# Altium PCB PCB_ALMA_TESLA.PcbDoc (part 2 of 3)
Units mm, origin at the board's own origin, x right, y up, seen from the top; angles counter-clockwise.
Board outline 100 x 100 mm, 10 copper layers (Top Layer - Signal General / Componentes SoC, GND1 - Plano Tierra Principal, Inner SIG1 - Control / I2C / UART / GPIO / SAI2, PWR1 - Alimentacion Principal (3.3V / 1.8V / VDD_ARM), Inner SIG2 - LPDDR4 / eMMC (Bus Critico), Inner SIG3 - MIPI DSI / USB / Diferenciales, PWR2 - Alimentacion Auxiliar (1.0V / VDDQ / VBUS), Inner SIG4 - Audio SAI2 / BT UART / Clocks / Low-Noise, GND2 - Plano Tierra Retorno, Bottom Layer - Signal Perifericos / GPIO / Conectores), stack 1.564 mm thick; 82 components, 94 nets, 1091 pads, 206 vias.
Unrouted connection lines stored in the file: 13.
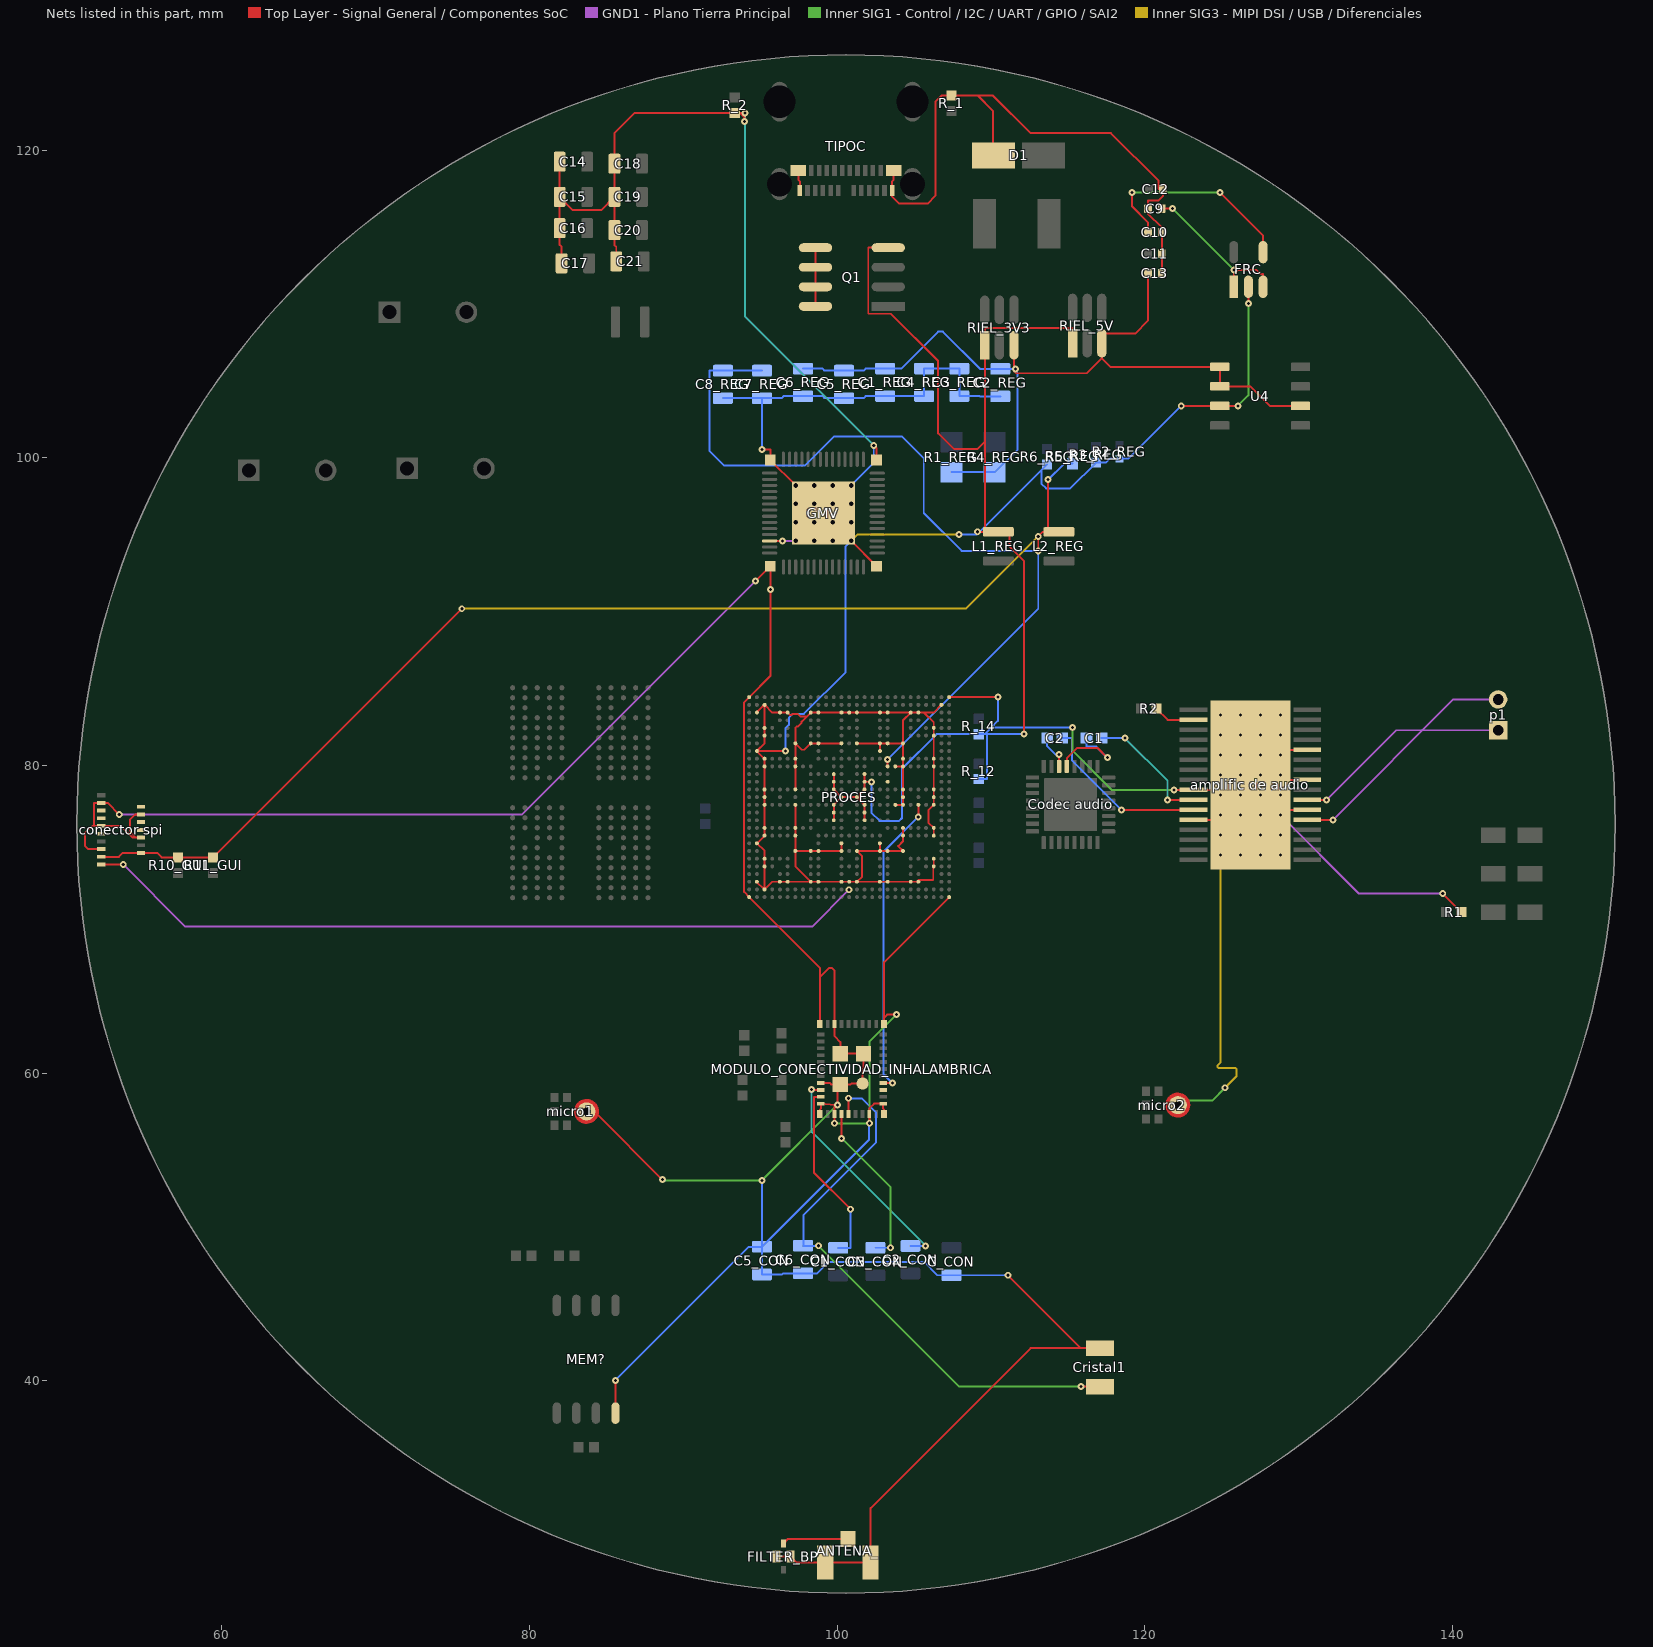
[diagram p10: the nets of this part, all layers, seen from the top]

## Part data
"amplific de audio": library part CMP-00027-00003-1, "Audio Amp Speaker 1-CH Mono/2-CH Stereo 50W Class-D Automotive 32-Pin HTSSOP EP T/R", Ambient Temperature Range High=85°C, Case/Package="HTSSOP EP", Manufacturer Lifecycle Status=ACTIVE, Max Junction Temperature (Tj)=150°C, Max Output Power=30W, Max Supply Voltage=26V, Min Operating Temperature=-40°C, Min Supply Voltage=4.5V, Voltage Gain=36dB, Height=1.2mm, Lead Free="Lead Free", Length=11mm, Lifecycle Status=Production, Max Operating Temperature=85°C, Mounting Technology="Surface Mount", Number of Channels=2, Output Power=30W, Pins=32, Radiation Hardening=No, RoHS=Compliant, Schedule B="8542330000, 8542330000", Thickness=1.15mm, Width=6.2mm
ANTENA_: library part CMP-0029-00003-2, "CONN U.FL RCPT STR 50 OHM SMD", Case/Package=SMD/SMT, Dielectric Material=Polymer, Frequency=6GHz, Housing Color=Beige, Max Operating Temperature=90°C, Min Operating Temperature=-40°C, Package Quantity=1, Body Material=Bronze, Body Plating=Silver, Connector Type=Coaxial, Contact Material=Brass, Contact Plating=Gold, Depth=3.1mm, Fastening Type=Snap, Impedance=50R, Lead Free="Lead Free", Length=3mm, Max Frequency=6GHz, Mount="Surface Mount", Orientation=Vertical, Packaging="Tape and Reel", Plating=Silver, Radiation Hardening=No, Termination=Solder
C1 C2: library part CMP-001-00009-6, "Chip Capacitor, 1 uF, +/- 10%, 6.3 V, 1005 (0402 Metric)", Capacitor Type=Ceramic, Case/Package=0402, Max Operating Temperature=85°C, Min Operating Temperature=-55°C, Tolerance=10%, Voltage Rating=6.3V, Mounting Technology=SM, Pins=2, RoHS Compliant=True
C1_CON C2_CON C3_CON C5_CON C6_CON C_CON: library part CMP-001-00080-4, "Chip Capacitor, 4.7µF +/-40%, 25V, 0805, Thickness 1.45 mm", Case/Package=0805, Max Operating Temperature=85°C, Min Operating Temperature=-55°C, Tolerance=20%, Voltage Rating=25V, Mounting Technology=SMT, Pins=2
C1_REG C2_REG C5_REG C6_REG C14 C15 C21: library part CMP-001-00079-4, "Chip Capacitor, 10µF +/-20%, 25V, 0805, Thickness 1.45 mm", Case/Package=0805, Max Operating Temperature=85°C, Min Operating Temperature=-55°C, Tolerance=10%, Voltage Rating=25V, Mounting Technology=SMT, Pins=2
C3_REG C4_REG C7_REG C8_REG C16 C17 C18 C19 C20: library part CMP-001-00081-4, "Chip Capacitor, 22µF +/-40%, 16V, 0805, Thickness 1.45 mm", Case/Package=0805, Max Operating Temperature=85°C, Min Operating Temperature=-55°C, Tolerance=5%, Voltage Rating=16V, Mounting Technology=SMT, Pins=2
C9 C12 C13: library part CMP-001-00063-3, "Chip Capacitor, 1µF +/-20%, 10V, 0402, Thickness 0.6 mm", Case/Package=0402, Max Operating Temperature=85°C, Min Operating Temperature=-55°C, Tolerance=10%, Voltage Rating=10V, Mounting Technology=SMT, Pins=2
C10: library part CMP-001-00066-3, "Chip Capacitor, 1nF +/-20%, 50V, 0402, Thickness 0.33 mm", Case/Package=0402, Max Operating Temperature=85°C, Min Operating Temperature=-55°C, Tolerance=10%, Voltage Rating=50V, Mounting Technology=SMT, Pins=2
C11: library part CMP-001-00056-4, "Chip Capacitor, 2,2µF +/-20%, 10V, 0402, Thickness 0.6 mm", Case/Package=0402, Max Operating Temperature=85°C, Min Operating Temperature=-55°C, Tolerance=10%, Voltage Rating=10V, Mounting Technology=SMT, Pins=2
"Codec audio": library part CMP-019-00056-1, "Low-Power Stereo CODEC with 6 Inputs, 6 Outputs, HP Amp and Enhanced Digital Effects 32-VQFN -40 to 85", Case/Package=VQFN, Manufacturer Lifecycle Status=ACTIVE, Max Operating Temperature=85°C, Max Supply Voltage=3.6V, Min Operating Temperature=-40°C, Min Supply Voltage=1.1V, Output Power=14mW, Contact Plating=Gold, Height=1mm, Interface="2-Wire, I2C, I2S, Serial", Lead Free="Lead Free", Length=5mm, Lifecycle Status=Production, Number of A/D Converters=2, Number of ADC Channels=2, Number of Analog Inputs=6, Number of Analog Outputs=6, Number of D/A Converters=2, Number of DAC Channels=2, Pins=32, Power Consumption=14mW, Radiation Hardening=No, REACH SVHC=No, Resolution=3B, RoHS=Compliant, Sampling Rate=96ksps, Schedule B=8542390000, Signal to Noise Ratio (SNR)=92dB, Termination=SMD/SMT, Thickness=900µm, Type="General Purpose", Weight=72.206235mg, Width=5mm
"conector spi": library part CMP-002-00082-1, "FFC FPC Connectors Horizontal Mounting Angle Beige 0.25 mm - Pitch 15 Positions", Contact Resistance=200mΩ, Contact Voltage Rating (AC)=30V, Current Rating=200mA, Max Operating Temperature=85°C, Min Operating Temperature=-55°C, Connector Type=Receptacle, Contact Material="Gold, Nickel", Contact Pitch=250µm, Contact Plating=Gold, Contact Voltage Rating (DC)=30V, Export Control Classification Number (ECCN) Code=EAR99, Height=500µm, Introduction Date=2019-06-01, Length=5.7mm, Lifecycle Status=Production, Number of Contacts=15, Number of Positions=15, Orientation=Horizontal, Pins=15, Pitch=500µm, REACH SVHC=Yes, RoHS=Compliant, Voltage Rating=30V, Width=3.15mm
Cristal1: library part CMP-003-00030-1, "Crystal 0.032768MHz ±20ppm (Tol) 6pF Flexural 60000Ohm 2-Pin CSMD T/R", Case/Package=SMD/SMT, ESR (Equivalent Series Resistance)=55kΩ, Frequency=32.768kHz, Frequency Stability=162ppm, Frequency Tolerance=0.002%, Load Capacitance=6pF, Max Operating Temperature=85°C, Min Operating Temperature=-40°C, China RoHS=Compliant, Depth=1.5mm, ESR=55k, Height=900µm, Lead Free="Lead Free", Length=3.2mm, Lifecycle Status=Production, Mounting Technology="Surface Mount", Pins=2, Radiation Hardening=No, REACH SVHC=Yes, RoHS=Compliant, Schedule B="8541600025, 8541600025", Termination=SMD/SMT, Tolerance=0.002%, Width=1.5494mm
D1: library part CMP-004-00032-1, "SMAJXXA Series 400 W 19.9 Vcl Uni-Directional SMT TransZorb TVS Diode - DO-214AC", Breakdown Voltage=14V, Case/Package=SMA, Clamping Voltage=19.9V, Forward Voltage=3.5V, Leakage Current=1µA, Max Breakdown Voltage=14.7V, Max Forward Surge Current (Ifsm)=40A, Max Operating Temperature=150°C, Max Power Dissipation=3.3W, Max Surge Current=20.1A, Min Breakdown Voltage=13.3V, Min Operating Temperature=-55°C, Operating Supply Voltage=12V, Peak Pulse Power=400W, Test Current=1mA, China RoHS=Non-Compliant, Country of Origin="Mainland China", Direction=Unidirectional, Element Configuration=Single, Export Control Classification Number (ECCN) Code=EAR99, Harmonized Tariff Schedule (HTS) Code=8541.10.00.50, Introduction Date=2000-08-22, Lifecycle Status=Production, Max Reverse Leakage Current=1µA, Number of Channels=1, Number of Elements=1, Number of Terminals=2, Packaging="Tape and Reel", Peak Pulse Current=20.1A, Peak Reverse Current=1µA, Pins=2, Polarity=Unidirectional, REACH SVHC=No, Reverse Breakdown Voltage=13.3V, Reverse Standoff Voltage=12V, RoHS=Compliant, Schedule B="8541100080, 8541100080"
F1: library part CMP-005-00013-1, "PTC Resettable Fuse 2.6A(hold) 5.2A(trip) 6V 100A 0.8W 5s 0.015Ohm SMD Solder Pad 1812", Case Code (Imperial)=1812, Case Code (Metric)=4532, Current Rating=100A, Hold Current=2.6A, Max Operating Temperature=85°C, Min Operating Temperature=-40°C, Operating Supply Voltage=6V, Power Dissipation=800mW, Ratings=TUV, Trip Current=5.2A, Approvals="CSA, TUV, UL", Case/Package=1812, China RoHS=Compliant, Export Control Classification Number (ECCN) Code=EAR99, Harmonized Tariff Schedule (HTS) Code=8533.40.80.70, Height=850µm, Introduction Date=2004-04-19, Lead Free="Lead Free", Length=4.73mm, Lifecycle Status=Obsolete, LTB Date=2026-02-28, LTD Date=2026-05-31, Max Current Rating=100A, Mounting Technology="Surface Mount", Number of Terminals=2, Pins=1812, Radiation Hardening=No, REACH SVHC=Yes, RoHS=Compliant, Terminal Material=Gold, Termination=SMD/SMT, Time to Trip=5s, Voltage Rating=6V, Voltage Rating (DC)=6V, Width=3.41mm, Working Voltage=6V
FILTER_BP: library part CMP-00025-00009-1, "RF Filter Band Pass 2450MHz 2400MHz to 2500MHz 1.95dB 50Ohm SMD 4Pin 0603 T/R", Cutoff Frequency=2.45GHz, Manufacturer Lifecycle Status=PRODUCTION, Max Operating Temperature=85°C, Min Operating Temperature=-40°C, Country of Origin="Mainland China", Frequency=2.45GHz, Height=600µm, Impedance=50Ω, Insertion Loss (dB)=2.1dB, Introduction Date=2015-06-01, Length=1.6mm, Lifecycle Status=Production, Max Length=1.7mm, Max Thickness=700µm, Max Width=900µm, Min Length=1.5mm, Min Thickness=500µm, Min Width=700µm, Mounting Technology="Surface Mount", Number of Terminals=4, REACH SVHC=Yes, RoHS=Compliant, Width=800µm
FRC: library part CMP-00027-00005-1, "LDO, 0.5VDO, 0.5A, 5V, 1%, 5SOT23; Primary Input Voltage: 12V; Output Voltage Fix", Ambient Temperature Range High=125°C, Case/Package=SOT-23, Dropout Voltage=350mV, Manufacturer Lifecycle Status=REL, Max Output current=500mA, Max Supply Voltage=12V, Min Input Voltage=2.5V, Min Operating Temperature=-40°C, Min Output Voltage=5V, Accuracy=1%, Country of Assembly="Malaysia, Thailand", Country of Fabrication="United States of America", Country of Origin="Malaysia, Thailand", Export Control Classification Number (ECCN) Code=EAR99, Harmonized Tariff Schedule (HTS) Code=8542.39.0060, Height=1.45mm, HS Code=8542.39.0090, Lead Free="Lead Free", Length=2.9mm, Lifecycle Status=Production, Max Junction Temperature (Tj)=125°C, Max Operating Temperature=125°C, Min Supply Voltage=2.5V, Mounting Technology="Surface Mount", Nominal Output Voltage=5V, Number of Channels=1, Number of Outputs=1, Number of Regulators=1, Output Current=500mA, Output Type=Fixed, Output Voltage=5V, Pins=5, Polarity=Positive, Projected EOL Date=2034-03-18, Radiation Hardening=No, REACH SVHC=No, RoHS=Compliant, Schedule B="8542390000, 8542390000", Width=1.6mm
GMV: library part CMP-019-00054-1, "Step Down Converter with LDO Regulator 12-OUT 56-Pin UQFN Emboss T/R", Max Junction Temperature (Tj)=150°C, Max Operating Temperature=85°C, Max Supply Voltage=5.5V, Min Operating Temperature=-40°C, Min Supply Voltage=2.7V, Nominal Supply Voltage (DC)=5V, Temperature Grade=Industrial, China RoHS=Non-Compliant, Country of Origin=Philippines, Export Control Classification Number (ECCN) Code=EAR99, Harmonized Tariff Schedule (HTS) Code=8542.39.00.60, Height=1mm, Height - Seated (Max)=1mm, Introduction Date=2019-03-08, Length=7mm, Lifecycle Status=Production, Number of Channels=12, Number of Circuits=1, Number of Outputs=12, Number of Terminals=56, REACH SVHC=Yes, RoHS=Compliant, Terminal Pitch=400µm, Width=7mm
L1_REG L2_REG L6: library part CMP-006-00020-3, "Inductor for Power Circuit, 2.2 uH, +/- 20%, -40 to 105 degC, 2-Pin SMD, RoHS, Tape and Reel", Tolerance=20%, Mounting Technology=SurfaceMount, Pins=2
L3 L4 L5: library part CMP-006-00013-6, "Radial Inductor, 100 uH, +/- 10%, 0.91 A, -55 to 105 degC, 2-Pin THD, RoHS, Bulk", Case/Package=Radial, Current Rating=910mA, Inductance Tolerance=10%, Manufacturer=Bourns, Max Operating Temperature=105°C, Min Operating Temperature=-55°C, Package Description="2-Pin Radial Lead, Dia 8.5 mm, Pitch 5 mm", Package Quantity=100, Package Reference=INDR62-500-1100X850X1100, Resistance=0.28Ohm, Self Resonant Frequency=3.7MHz, Core Material=Ferrite, Datasheet URL=http://www.bourns.com/docs/Product-Datasheets/rl622_series.pdf, Datasheet Version=Aug-10, Diameter=8.5mm, Lead Pitch=5mm, Mounting Technology=TH, Packaging=Bulk, Pins=2, Q Factor=20, RoHS Compliant=True, Shielding=Unshielded, Tolerance=10%
MEM?: library part CMP-019-00057-1, "NOR Flash Serial-SPI 3V/3.3V 128M-bit 16M x 8 7ns 8-Pin SOIC", Case/Package=SOP, Clock Frequency=104MHz, Max Operating Temperature=85°C, Max Supply Current=20mA, Max Supply Voltage=3.6V, Min Operating Temperature=-40°C, Min Supply Voltage=2.7V, Nominal Supply Voltage (DC)=3V, Temperature Grade=Industrial, Access Time=7ns, Address Bus Width=24b, China RoHS=Compliant, Contact Plating=Tin, Density=128Mb, Frequency=104MHz, Height - Seated (Max)=2.16mm, Interface=Serial, Length=5.28mm, Lifecycle Status=Obsolete, Memory Format=FLASH, Memory Size=1.6777216e+07, Mounting Technology="Surface Mount", Nominal Supply Current=20mA, Number of Circuits=1, Number of Terminals=8, Pins=8, Radiation Hardening=No, REACH SVHC=Yes, RoHS=Compliant, Sync/Async=Synchronous, Terminal Pitch=1.27mm, Width=5.23mm, Word Size=8b
micro1 micro2: library part CMP-00027-00002-1, "MEMS Microphones (Microphone), SNR(Nom)=65dBA, LxWxT (mm)=3.5x2.65x0.98", Case/Package=LGA, Manufacturer Lifecycle Status=PRODUCTION, Max Operating Temperature=85°C, Max Supply Voltage=3.63V, Min Operating Temperature=-40°C, Min Supply Voltage=1.65V, Operating Supply Current=550µA, Direction=Omnidirectional, Harmonized Tariff Schedule (HTS) Code=8542.39.00.60, Height=980µm, Height - Seated (Max)=980µm, Introduction Date=2016-06-03, Length=3.5mm, Lifecycle Status=Production, LTB Date=2026-06-15, LTD Date=2027-01-15, Max Length=3.6mm, Max Thickness=1.08mm, Max Width=2.75mm, Min Length=3.4mm, Min Thickness=880µm, Min Width=2.55mm, Number of Circuits=1, Number of Terminals=6, Output Type=Digital, REACH SVHC=Yes, RoHS=Compliant, Schedule B="8518100000, 8518100000", Width=2.65mm
MODULO_CONECTIVIDAD_INHALAMBRICA: library part CMP-00025-00007-1, "Multiprotocol Modules; MURATA; LBEE5KL1DX-883; 1.1 mm; UART; 1.71 V - 4.8 V; 2.4835 GHz", Clock Frequency=2.4835GHz, Current - Receiving=47mA, Max Operating Temperature=70°C, Max Supply Voltage=4.8V, Min Operating Temperature=-30°C, Min Supply Voltage=1.71V, Operating Supply Voltage=3.6V, Bandwidth=1MHz, Data Rate=65Mbps, Export Control Classification Number (ECCN) Code=5A992.C, Frequency=2.4835GHz, Harmonized Tariff Schedule (HTS) Code=8517.62.00.90, Height=1.1mm, Height - Seated (Max)=1.1mm, Interface=UART, Introduction Date=2018-05-31, Lead Free="Lead Free", Length=6.95mm, Lifecycle Status=EOL, LTB Date=2026-10-15, LTD Date=2028-03-31, Number of Circuits=1, Number of Terminals=46, REACH SVHC=Yes, RoHS=Compliant, Schedule B="8517620050, 8517620050", Width=5.15mm
p1: library part CMP-002-00030-2, "Male Header, Pitch 2 mm, 1 x 2 Position, Height 4.8 mm, Tail Length 3.4 mm, -25 to 85 degC, RoHS, Bulk", Case/Package=S2B-PH-K-S, Manufacturer="Japan Solderless Terminals", Max Operating Temperature=85°C, Min Operating Temperature=-25°C, Package Description="Male Header, Pitch 2 mm, 1 x 2 Position, Height 4.8 mm, Tail Length 3.4 mm", Connector Type=Header, Datasheet URL=http://www.jst-mfg.com/product/pdf/eng/ePH.pdf, Datasheet Version=Dec-12, Gender=Male, Mounting Technology=SM, Package Reference=S2B-PH-K-S, RoHS Compliant=Unknown
PROCES: library part CMP-00001-1, "Microprocessor, 4 Cores, 32-bit, ARM Cortex-A53, 1.8 GHz, FCBGA, 486 Pins", Case/Package=LFBGA, Frequency=1.8GHz, Max Junction Temperature (Tj)=95°C, Max Supply Voltage=1.05V, Min Operating Temperature=0°C, Min Supply Voltage=950mV, Operating Supply Voltage=1V, China RoHS=Compliant, Core Architecture="ARM Cortex-A53", Country of Origin="Mainland China, South Korea", Data Bus Width=32b, Export Control Classification Number (ECCN) Code=5A992.C, Harmonized Tariff Schedule (HTS) Code=8542.31.00.01, Height=1.25mm, Height - Seated (Max)=1.25mm, Interface="Ethernet, I2C, SPI, UART, USB", Introduction Date=2019-02-21, Length=14mm, Lifecycle Status=Production, Max Operating Temperature=95°C, Memory Size=256kB, Number of I2C Channels=4, Number of SPI Channels=3, Number of Terminals=486, Number of UART Channels=4, RAM Size=288kB, REACH SVHC=Yes, RoHS=Compliant, Schedule B="8542310000, 8542310000", Terminal Pitch=500µm, Width=14mm
Q1: library part CMP-013-00048-1, "Mosfet, Power; P-ch; Vdss -12V; Rds(on) 7 Milliohms; Id -16A; SO-8; Pd 2.5W; Vgs +/-8V", Case/Package=SOIC, Continuous Drain Current (ID)=16A, Drain to Source Breakdown Voltage=-12V, Drain to Source Resistance=7mΩ, Dual Supply Voltage=12V, Gate to Source Voltage (Vgs)=8V, Input Capacitance=8.676nF, Max Junction Temperature (Tj)=150°C, Max Power Dissipation=2.5W, Min Breakdown Voltage=20V, Min Operating Temperature=-55°C, Package Quantity=4000, Threshold Voltage=900mV, Contact Plating=Tin, Drain to Source Voltage (Vdss)=-12V, Element Configuration=Single, Export Control Classification Number (ECCN) Code=EAR99, Fall Time=200ns, Harmonized Tariff Schedule (HTS) Code=8541.29.00.95, Height=1.75mm, Introduction Date=2001-07-11, Lead Free="Lead Free", Length=4.9784mm, Lifecycle Status=Obsolete, LTB Date=2025-12-31, LTD Date=2026-12-31, Max Operating Temperature=150°C, Mounting Technology="Surface Mount", Nominal Vgs=900mV, Number of Channels=1, Number of Elements=1, Number of Terminals=8, On-State Resistance=7mΩ, Packaging="Tape & Reel", Pins=8, Power Dissipation=2.5W, Radiation Hardening=No, Rds On Max=7mΩ, REACH SVHC=Yes, Rise Time=12ns, RoHS=Compliant, Schedule B="8541290080, 8541290080", Termination=SMD/SMT, Turn-Off Delay Time=271ns, Turn-On Delay Time=13ns, Width=3.9878mm
R1 R2 R3_REG R6_REG R10_GUI R11_GUI: library part CMP-009-00019-5, "Chip Resistor, 10 KOhm, +/- 1%, 63 mW, -55 to 155 degC, 0402 (1005 Metric)", Case/Package=0402, Max Operating Temperature=155°C, Min Operating Temperature=-55°C, Power=63mW, Tolerance=1%, Voltage Rating=50V, Mounting Technology=SM, Pins=2, RoHS Compliant=True
R1_CON R2_CON R3_CON R4_CON R5_CON R6 R7 R8: library part CMP-009-00186-1, "63mW Thick Film Resistors 75V ±5% ±200ppm/℃ 1kΩ 0402 Chip Resistor - Surface Mount ROHS", Case Code (Imperial)=0402, Max Operating Temperature=155°C, Max Power Dissipation=63mW, Min Operating Temperature=-55°C, Ratings=AEC-Q200, Temperature Coefficient=200ppm/°C, Tolerance=5%, Voltage Rating=50V, Case/Package=0402, China RoHS=Non-Compliant, Composition="Thick Film", Contact Plating=Tin, Country of Origin="Israel, Taiwan", Depth=500µm, Export Control Classification Number (ECCN) Code=EAR99, Features="Automotive AEC-Q200", Harmonized Tariff Schedule (HTS) Code=8533.21.00.30, Height=350µm, Introduction Date=2005-03-24, Lead Free="Lead Free", Length=1mm, Lifecycle Status=Production, Military Standard=Not, Mounting Technology="Surface Mount", Number of Terminals=2, Number of Terminations=2, Packaging="Cut Tape", Pins=2, Power Dissipation=63mW, Power Rating=63mW, Radiation Hardening=No, REACH SVHC=Yes, RoHS=Compliant, Schedule B="8533210045, 8533210045", Termination=SMD/SMT, Voltage Rating (DC)=50V, Weight=652.039032µg, Width=500µm, Working Voltage=50V
R1_REG R4_REG: library part CMP-009-00024-5, "Chip Resistor, 100 KOhm, +/- 1%, 0.125 W, -55 to 155 degC, 0805 (2012 Metric)", Case/Package=0805, Max Operating Temperature=155°C, Min Operating Temperature=-55°C, Power=125mW, Tolerance=1%, Voltage Rating=150V, Mounting Technology=SM, Pins=2, RoHS Compliant=True
R2_REG: library part CMP-009-00124-3, "Chip Resistor, 53,6 kOhms, +/-1 %, 63 mW, -55 to 155 degC, 0402", Case/Package=0402, Max Operating Temperature=155°C, Min Operating Temperature=-55°C, Power=63mW, Tolerance=1%, Pins=2
R5_REG: library part CMP-009-00028-5, "Chip Resistor, 33 KOhm, +/- 5%, 0.063 W, -55 to 155 degC, 0402 (1005 Metric)", Case/Package=0402, Max Operating Temperature=155°C, Min Operating Temperature=-55°C, Power=63mW, Tolerance=5%, Mounting Technology=SM, Pins=2, RoHS Compliant=True
R_1 R_2 R_12 R_14 R_20 R_21 R_22: library part CMP-009-00185-1, "Res Thick Film 0402 680 Ohm 5% 0.063W(1/16W) ±200ppm/C Pad SMD T/R Automotive AEC-Q200", Case Code (Imperial)=0402, Max Operating Temperature=155°C, Max Power Dissipation=63mW, Min Operating Temperature=-55°C, Ratings=AEC-Q200, Temperature Coefficient=200ppm/°C, Tolerance=5%, Voltage Rating=50V, Case/Package=0402, China RoHS=Non-Compliant, Composition="Thick Film", Contact Plating=Tin, Country of Origin="Israel, Taiwan", Depth=500µm, Export Control Classification Number (ECCN) Code=EAR99, Features="Automotive AEC-Q200", Harmonized Tariff Schedule (HTS) Code=8533.21.00.30, Height=350µm, Introduction Date=2005-03-24, Lead Free="Lead Free", Length=1mm, Lifecycle Status=Production, Military Standard=Not, Mounting Technology="Surface Mount", Number of Terminals=2, Number of Terminations=2, Packaging="Tape & Reel", Pins=2, Power Dissipation=63mW, Power Rating=63mW, Radiation Hardening=No, REACH SVHC=Yes, RoHS=Compliant, Schedule B="8533210045, 8533210045", Termination=SMD/SMT, Voltage Rating (DC)=50V, Weight=652.039032µg, Width=500µm, Working Voltage=50V
RIEL_3V3 RIEL_5V: library part CMP-00030-00006-1, "Conv DC-DC 4.5V to 17V Synchronous Step Down Single-Out 0.6V to 7V 3A 6-Pin TSOT-23 T/R", Manufacturer Lifecycle Status=ACTIVE, Manufacturer Package Identifier=DDC0005A, Max Junction Temperature (Tj)=125°C, Max Supply Voltage=17V, Min Operating Temperature=-40°C, Min Supply Voltage=4.5V, Output Current=3A, Switching Frequency=1.4MHz, Height=1.1mm, Length=2.9mm, Lifecycle Status=Production, Max Operating Temperature=125°C, Number of Channels=1, Number of Outputs=1, Pins=6, RoHS=Compliant, Thickness=870µm, Topology=Buck, Width=1.6mm
SW1: library part CMP-00030-00007-1, "JS Series Sub-Miniature Slide Switch DPDT On-On Top Slide 0.3A 6VDC J-Lead Surface Mount T/R", Color=Black, Contact Current Rating=300mA, Contact Resistance=70mΩ, Insulation Resistance=100MΩ, Max Operating Temperature=85°C, Max Voltage Rating (DC)=6V, Min Operating Temperature=-40°C, Actuator Length=2.0066mm, China RoHS=Compliant, Contact Plating=Silver, Electrical Life=5kcycles, Height=3.6mm, Length=9mm, Life (Cycles)=5kcycles, Lifecycle Status=Production, Max Current Rating=300mA, Mounting Technology="Surface Mount", Number of Positions=2, Orientation=Vertical, REACH SVHC=Yes, RoHS=Compliant, Terminal Material=Brass, Termination=Solder, Throw Configuration=DPDT, Voltage Rating (DC)=6V
TIPOC: library part CMP-002-00079-1, "USB Connector, 24 Contact(s), Female, Right Angle, Surface Mount Terminal, Receptacle", Case/Package=0101, Contact Resistance=40mΩ, Current Rating=5A, Insulation Color=Black, Insulation Resistance=100MΩ, Manufacturer Lifecycle Status=ACTIVE, Max Operating Temperature=85°C, Min Operating Temperature=-30°C, Voltage Rating=30V, China RoHS=Compliant, Connector Type=USB, Contact Material="Gold, Nickel", Contact Plating=Gold, Country of Origin=CN, Export Control Classification Number (ECCN) Code=EAR99, Features=Shielded, Gender=Female, Harmonized Tariff Schedule (HTS) Code=8536.69.40.30, Height=3.44mm, Housing Material=Thermoplastic, Introduction Date=2017-03-03, Length=8.94mm, Lifecycle Status=Production, Mounting Technology="Horizontal, Surface Mount", Number of Circuits=24, Number of Contacts=24, Number of Ports=1, Number of Positions=24, Number of Rows=2, Number of Terminals=24, Orientation="Right Angle", Pins=24, Pitch=500µm, Plating=Gold, REACH SVHC=Yes, RoHS=Compliant, Schedule B="8536695050, 8536695050", Shell Finish=Nickel, Shell Material="Stainless Steel", Shielding=Shielded, Terminal Pitch=500µm, Termination=Solder, USB Standard="USB 3.1"